# Altium PCB 从机.PcbDoc
Units mil, origin at the board's own origin, x right, y up, seen from the top; angles counter-clockwise.
Board outline 2125 x 1800 mil, 2 copper layers (Top Layer, Bottom Layer); 71 components, 88 nets, 415 pads, 143 vias.
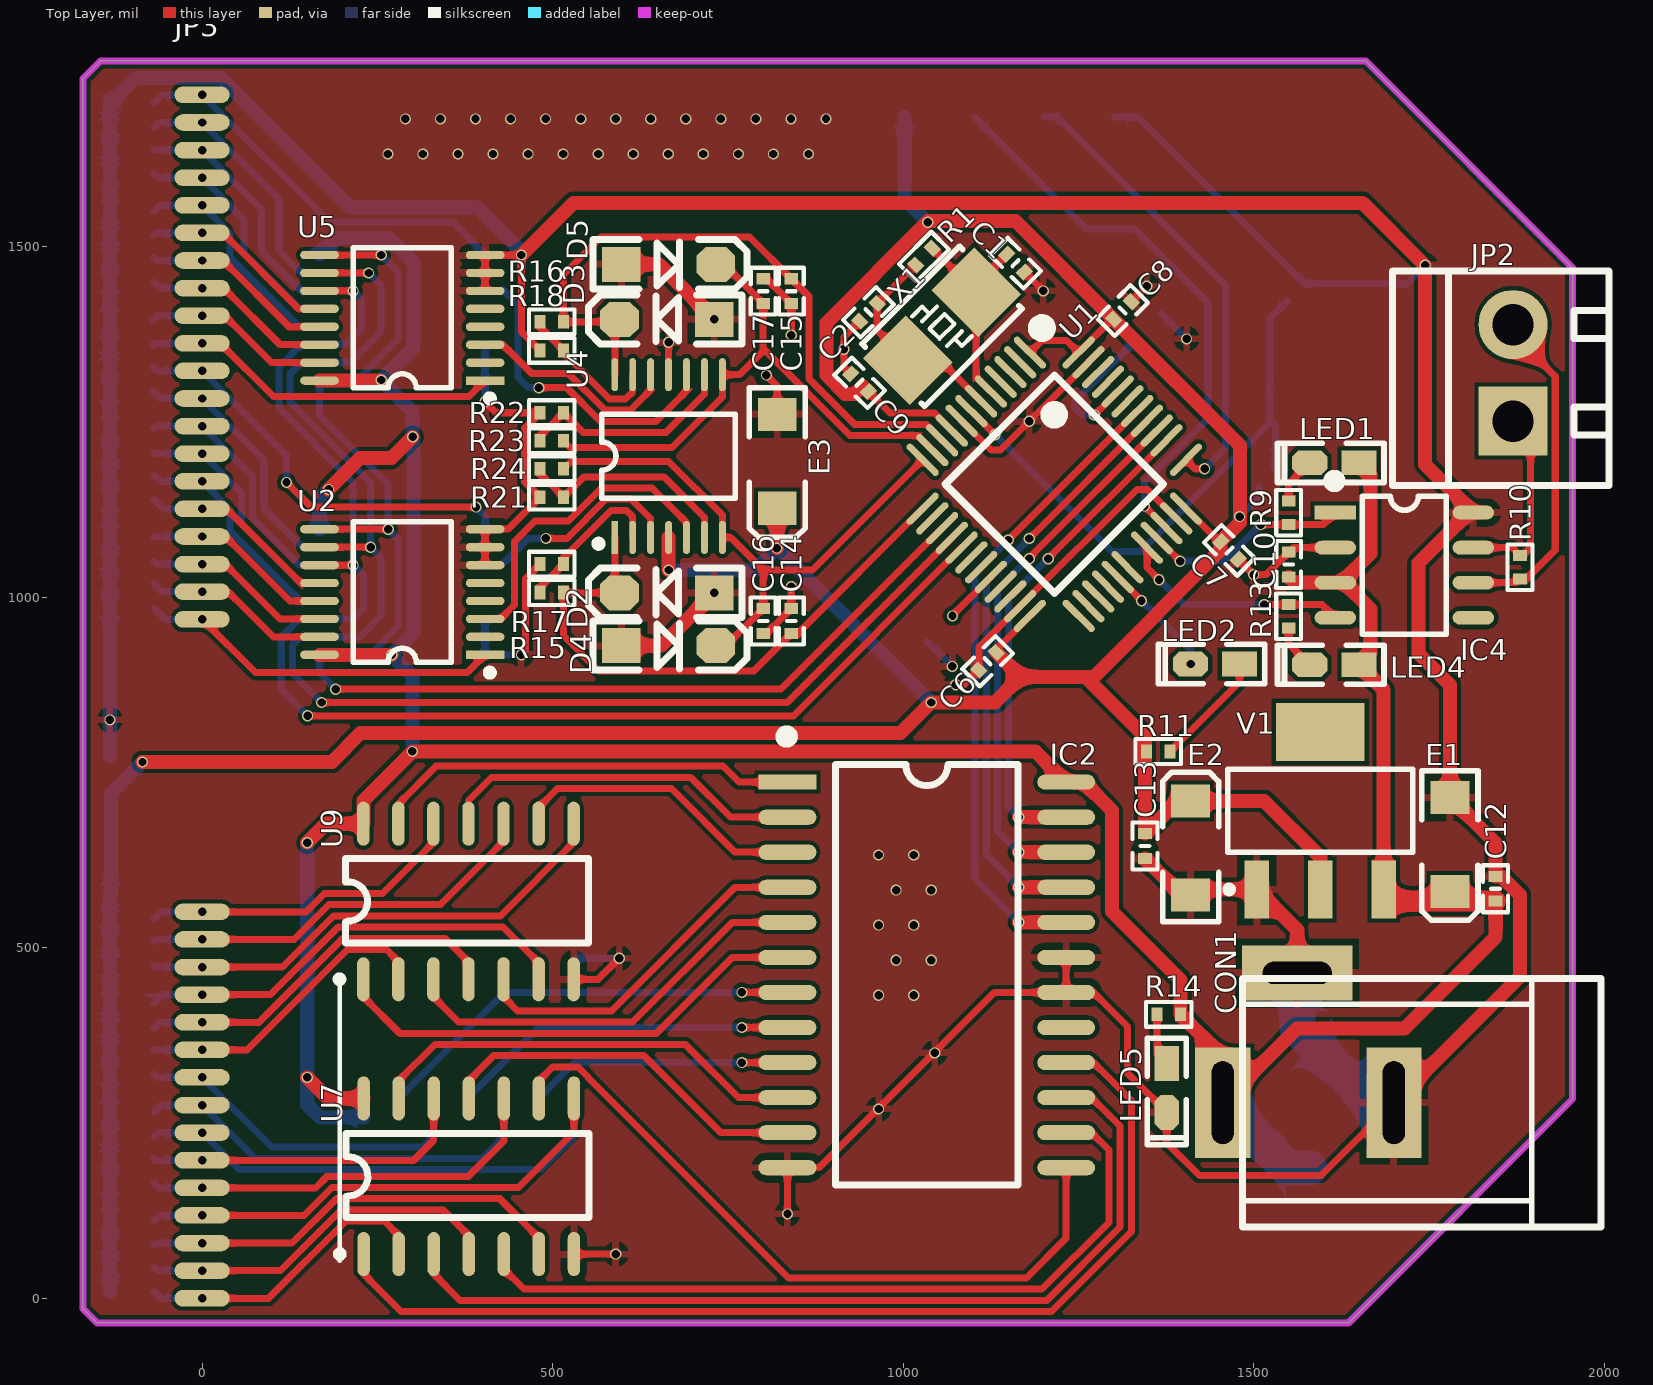
[diagram p0: Top Layer view]
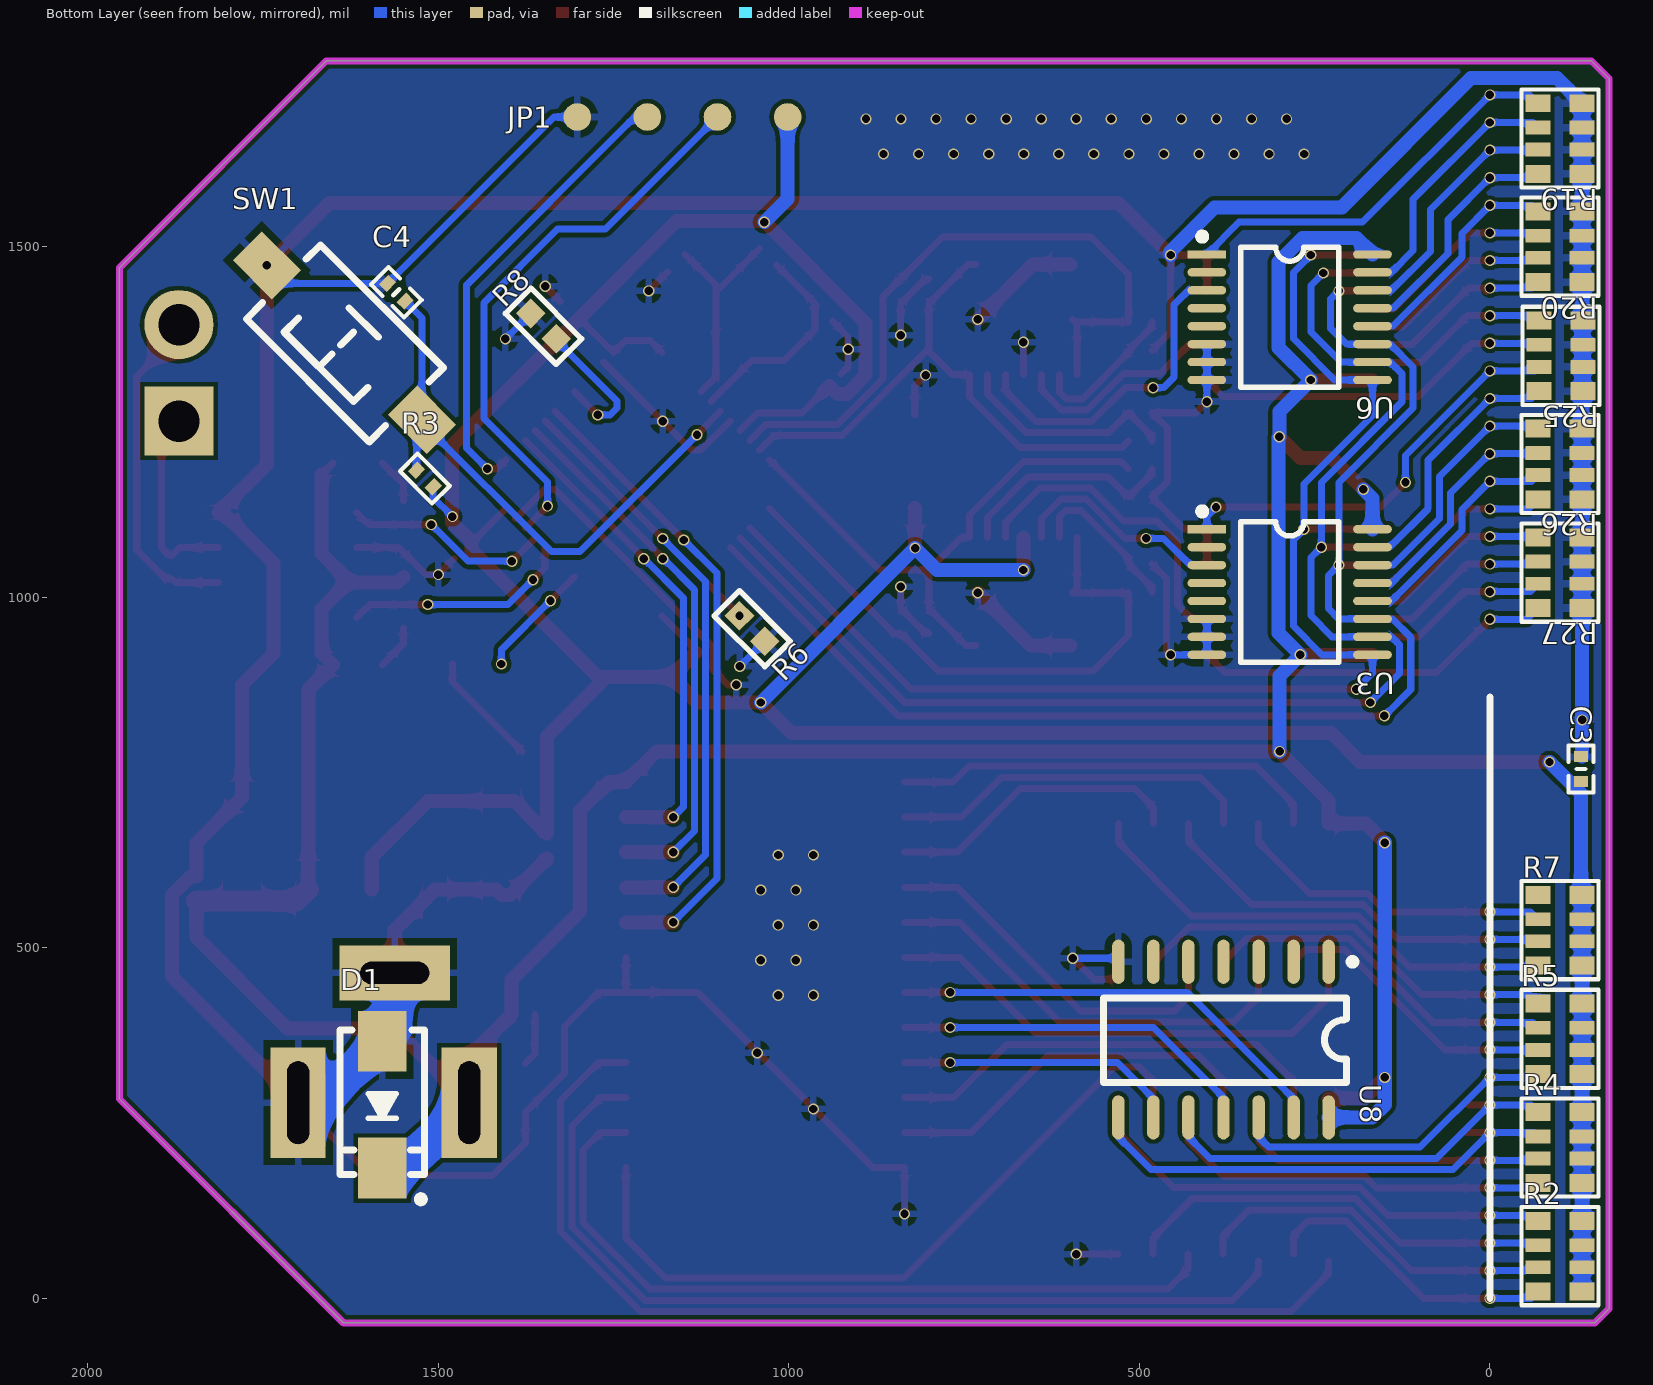
[diagram p1: Bottom Layer view, seen from below]

## Layer stack, top to bottom
Top Solder: solder mask 0.4, Solder Resist, Dk 3.5
Top Layer: signal copper 1.4
Dielectric 1: dielectric 12.6, FR-4, Dk 4.8
Bottom Layer: signal copper 1.4
Bottom Solder: solder mask 0.4, Solder Resist, Dk 3.5

## Board outline
-150,-35 -170,-15 -170,1740 -145,1765 1660,1765 1955,1470 1955,284.37 1635.63,-35

## Design rules (kind name [scope] priority, off if disabled: settings)
Clearance [All] p1: gap=6 ignorepadtopadclearanceinfootprint=FALSE
PolygonConnect [All] p1: connectstyle=Relief reliefconductorwidth=10 reliefentries=4 polygonreliefangle="90 Angle" airgapwidth=10
RoutingVias [All] p1: holewidth=28 width=50 viastyle="Through Hole" minholewidth=28 minwidth=50 maxholewidth=28 maxwidth=50
SolderMaskExpansion [All] p1: expansion=4
Width [All] p1: maxlimit=100 minlimit=10 preferedwidth=10
30 further rules are at their usual default settings.

## Components (designator, comment, footprint, x,y, rotation, side; value= is the part's Value field where it differs from the comment)
C1 "22pF" "C 0402_L" 1160.43,1476.45 r135 top
C2 "22pF" "C 0402_L" 950.43,1406.45 r45 top
C3 "104" "C 0402_L" -130,755 r90 bottom
C4 "104" "C 0402_L" 1560,1435 r225 bottom
C6 "104" "C 0402_L" 1120.43,908.69 r45 top
C7 "104" "C 0402_L" 1465.43,1066.8 r135 top
C8 "104" "C 0402_L" 1312.95,1408.97 r225 top
C9 "104" "C 0402_L" 937.9,1305.94 r315 top
C10 "22pF" "C 0402_L" 1550,1046.54 r270 top
C12 "104" "C 0402_L" 1845,584.13 r270 top
C13 "104" "C 0402_L" 1345,645 r90 top
C14 "104" "C 0402_L" 840.43,966.1 r270 top
C15 "104" "C 0402_L" 840.43,1436.53 r270 top
C16 "104" "C 0402_L" 800.43,966.1 r270 top
C17 "104" "C 0402_L" 800.43,1436.53 r90 top
CON1 "3.5*1.3" DC-005 1700,279.06 r0 top
D1 "SS34" SMA 1580,276.22 r270 bottom
D2 "1N5819" SOD-123 662.93,1006.33 r180 top
D3 "1N5819" SOD-123 662.93,1396.33 r180 top
D4 "1N5819" SOD-123 665.43,930.93 r0 top
D5 "1N5819" SOD-123 665.43,1474.91 r0 top
E1 "10uF/16V" "CD A(3216)" 1780,647.32 r90 top
E2 "10uF/16V" "CD A(3216)" 1410,642.32 r270 top
E3 "10uF/16V" "CD A(3216)" 820.43,1193.82 r90 top
IC2 "74HC154" SOP24_N 1033.82,461.22 r0 top
IC4 "TJA1050" SOP8_L 1715,1045.75 r0 top
JP1 "下载接口" 下载接口 1301.82,1685 r180 bottom
JP2 "HDR-1X2" KF350-2P 1870,1320 r90 top
JP3 "传感器" 柔性传感器 0,968.5 r90 top
LED1 "绿色" "LED 0603G" 1615,1191.81 r180 top
LED2 "蓝色" "LED 0603B" 1445,905 r180 top
LED4 "绿色" "LED 0603G" 1615,903.82 r180 top
LED5 "红色" "LED 0603R" 1375.7,300 r270 top
R1 "10M" "R 0402_L" 1030.43,1486.45 r225 top
R2 "30K" RCA-8P4R-0603 -100,60 r90 bottom
R3 "1K" "R 0402_L" 1520,1170 r225 bottom
R4 "30K" RCA-8P4R-0603 -100,215 r90 bottom
R5 "30K" RCA-8P4R-0603 -100,370 r90 bottom
R6 "10K" "R 0603_L" 1052.33,955.19 r225 bottom
R7 "30K" RCA-8P4R-0603 -100,525 r90 bottom
R8 "10K" "R 0603_L" 1350,1386.62 r45 bottom
R9 "1K" "R 0402_L" 1550,1119.39 r90 top
R10 "120R" "R 0402_L" 1880,1043.82 r270 top
R11 "1K" "R 0402_L" 1365,780 r180 top
R13 "1K" "R 0402_L" 1550,973.82 r270 top
R14 "10K" "R 0402_L" 1380,405 r180 top
R15 "10K" "R 0402_L" 497.71,1006.81 r0 top
R16 "10K" "R 0402_L" 499.67,1392.84 r180 top
R17 "10K" "R 0402_L" 499.67,1047.2 r180 top
R18 "10K" "R 0402_L" 497.71,1352.1 r0 top
R19 "30K" RCA-8P4R-0603 -100,1654.25 r90 bottom
R20 "30K" RCA-8P4R-0603 -100,1500 r90 bottom
R21 "10K" "R 0402_L" 497.71,1142.69 r0 top
R22 "10K" "R 0402_L" 499.67,1263.13 r180 top
R23 "10K" "R 0402_L" 499.67,1223.13 r180 top
R24 "10K" "R 0402_L" 497.71,1183.13 r0 top
R25 "30K" RCA-8P4R-0603 -101.5,1344.25 r90 bottom
R26 "30K" RCA-8P4R-0603 -100,1190 r90 bottom
R27 "30K" RCA-8P4R-0603 -100,1035 r90 bottom
SW1 "3x6x5" "TSW SMD-3*6*2.5" 1635,1363.82 r45 bottom
U1 "STM32F103C8" "LQFP48 7X7_L" 1215.64,1161.18 r225 top
U2 "74HC4051PW" TSSOP16_N 285.43,1007.39 r180 top
U3 "74HC4051PW" TSSOP16_N 285.43,1007.39 r180 bottom
U4 "OPA4377" TSSOP14_L 665.43,1201.33 r90 top
U5 "74HC4051PW" TSSOP16_N 285.43,1398.54 r180 top
U6 "74HC4051PW" TSSOP16_N 285.43,1399.41 r180 bottom
U7 "SN74HC05DR" SOP14 230.43,63 r90 top
U8 "SN74HC05DR" SOP14 230,480 r270 bottom
U9 "SN74HC05DR" SOP14 230,455 r90 top
V1 "AMS1117-3V3" SOT223_L 1595,695.39 r90 top
X1 "8MHz" "OSC 5032-2P" 1055.43,1386.45 r225 top

## Footprints (in the part's own frame and the unit in brackets; to place one, negate y for a bottom-side part, rotate by r counter-clockwise, add the part's x,y. Pads: shape width x height; smd on the part's side, far side on the other; paste and mask are expansions set on the pad)
"C 0402_L" [mm] "无极性贴片电容         淘宝ID:黄晶宝石"
  rect 0.4x0.5 smd: 1(-0.45,0) 2(0.45,0)
  silkscreen extent -0.85,-0.45 0.85,0.45, body extent -0.5,-0.26 0.5,0.26, height 0.53
"CD A(3216)" [mm] "长3.2mm，宽1.6mm，厚1.6mm      淘宝ID:黄晶宝石"
  rect 1.2x1.4 smd: 1(-1.7,0) 2(1.7,0)
  silkscreen extent -2.74,-1.02 2.67,1.02, body extent -1.6,-0.8 1.6,0.8, height 1.6
DC-005 [mm] "5.5*2.1mm，DC30V,2.5A      淘宝ID:黄晶宝石"
  rect 2x4 hole 0.8 slot 3 at 90 deg: 1(-6.2,0) 2(0,0)
  rect 4x2 hole 0.8 slot 2.5 at 0 deg: 3(-3.5,4.7)
  silkscreen extent -5.48,-4.5 7.5,4.5, body extent -6.55,-4.5 7.5,4.8, height 11.2
KF350-2P [mm] "可拼接端子/10A"
  rect 2.5x2.5 hole 1.5: 1(-1.75,0)
  round 2.5 hole 1.5: 2(1.75,0)
  silkscreen extent -4.09,-3.48 3.69,4.37, body extent -3.9,-3.3 3.5,4.2, height 10
"LED 0603B" [mil] "蓝色0603LED"
  rect 50x35 smd: 1(-35,0.26)
  oct 50x35 smd: 2(35,0.26)
  silkscreen extent -71,-28 81,28, body extent -31,-16 32,16, height 24
"LED 0603G" [mil] "绿色0603LED"
  rect 50x35 smd: 1(-35,0.26)
  oct 50x35 smd: 2(35,0.26)
  silkscreen extent -71,-28 81,28, body extent -31,-16 32,16, height 24
"LED 0603R" [mil] "红色0603LED"
  rect 50x35 smd: 1(-35,0.26)
  oct 50x35 smd: 2(35,0.26)
  silkscreen extent -71,-28 81,28, body extent -31,-16 32,16, height 24
"LQFP48 7X7_L" [mm] "48脚，体宽7x7mm，脚距0.5mm     淘宝ID:黄晶宝石"
  oval 0.25x1.55 smd: 1(-2.75,-4) 2(-2.25,-4) 3(-1.75,-4) 4(-1.25,-4) 5(-0.75,-4) 6(-0.25,-4) 7(0.25,-4) 8(0.75,-4) 9(1.25,-4) 10(1.75,-4) 11(2.25,-4) 12(2.75,-4) 25(2.75,4) 26(2.25,4) 27(1.75,4) 28(1.25,4) 29(0.75,4) 30(0.25,4) 32(-0.75,4) 33(-1.25,4) 34(-1.75,4) 35(-2.25,4) 36(-2.75,4)
  oval 1.55x0.25 smd: 13(4,-2.75) 14(4,-2.25) 15(4,-1.75) 16(4,-1.25) 17(4,-0.75) 18(4,-0.25) 19(4,0.25) 20(4,0.75) 21(4,1.25) 22(4,1.75) 23(4,2.25) 24(4,2.75) 37(-4,2.75) 39(-4,1.75) 40(-4,1.25) 41(-4,0.75) 42(-4,0.25) 43(-4,-0.25) 44(-4,-0.75) 45(-4,-1.25) 46(-4,-1.75) 47(-4,-2.25) 48(-4,-2.75)
  silkscreen extent -3.93,-4.57 2.79,2.79, body extent -4.5,-4.5 4.5,4.5, height 1.45
"OSC 5032-2P" [mm] "5mm*3.2mm*0.8mm(长*宽*高)                  淘宝ID:黄晶宝石"
  rect 2.2x2.4 smd: 1(-1.75,0) 2(1.75,0)
  silkscreen extent -2.5,-1.6 2.5,1.6, body extent -2.5,-1.6 2.5,1.6, height 0.86
"R 0402_L" [mm] "1/16W贴片电阻     淘宝ID:黄晶宝石"
  rect 0.4x0.5 smd: 1(-0.4,0) 2(0.45,0)
  silkscreen extent -0.8,-0.45 0.85,0.45, body extent -0.5,-0.25 0.5,0.25, height 0.3
"R 0603_L" [mil] "1/10W贴片电阻                 淘宝ID:黄晶宝石"
  rect 30x30 smd: 1(-25.59,0) 2(25.59,0)
  silkscreen extent -51,-26 51,26, body extent -31,-16 31,16, height 16
RCA-8P4R-0603 [mm] "3.2mm*1.6mm*0.6mm(长*宽*厚)"
  rect 0.65x0.9 smd: 1(-1.28,-0.8) 4(1.28,-0.8) 5(1.28,0.8) 8(-1.28,0.8)
  rect 0.5x0.9 smd: 2(-0.4,-0.8) 3(0.4,-0.8) 6(0.4,0.8) 7(-0.4,0.8)
  silkscreen extent -1.78,-1.4 1.78,1.4, body extent -1.6,-0.8 1.6,0.8, height 0.6
SMA [mm] "4.5x2.6*2.2mm（长宽高，不包括引脚）"
  rect 2.2x1.75 smd: 1(-2.3,0) 2(2.3,0)
  silkscreen extent -2.7,-1.52 3.56,1.52, body extent -2.52,-1.3 2.57,1.3, height 2.15
SOD-123 [mil] "2.7x1.6X1.1mm（长宽高，不包括引脚） 淘宝ID:黄晶宝石"
  rect 55x50 smd: 1(-67.5,0)
  oct 55x50 smd: 2(67.5,0)
  silkscreen extent -108,-35 112,35, body extent -73,-31 73,31, height 48
SOP8_L [mm] "5*6*1.8mm（长宽高）封装库来自淘宝卖家 ID：黄晶宝石"
  rect 1.5x0.5 smd: 1(-2.5,1.905)
  oval 1.5x0.5 smd: 2(-2.5,0.635) 3(-2.5,-0.635) 4(-2.5,-1.905) 5(2.5,-1.905) 6(2.5,-0.635) 7(2.5,0.635) 8(2.5,1.905)
  silkscreen extent -2.69,-2.5 1.52,3.2, body extent -3,-2.5 3,2.5, height 1.9
SOP14 [mm] "封装库来自淘宝卖家 ID：黄晶宝石"
  oval 1.6x0.45 smd mask+0.1: 1(0,0) 2(0,-1.27) 3(0,-2.54) 4(0,-3.81) 5(0,-5.08) 6(0,-6.35) 7(0,-7.62) 8(5.639,-7.62) 9(5.639,-6.35) 10(5.639,-5.08) 11(5.639,-3.81) 12(5.639,-2.54) 13(5.639,-1.27) 14(5.639,0)
  silkscreen extent -0.12,-8.16 4.37,0.99, body extent -0.31,-8.16 5.89,0.54, height 1.61
SOP24_N [mm] "15.4*10.6*2.6mm（长宽高）  淘宝ID:黄晶宝石"
  rect 2.1x0.55 smd: 1(-5.05,6.985)
  oval 2.1x0.55 smd: 2(-5.05,5.715) 3(-5.05,4.445) 4(-5.05,3.175) 5(-5.05,1.905) 6(-5.05,0.635) 7(-5.05,-0.635) 8(-5.05,-1.905) 9(-5.05,-3.175) 10(-5.05,-4.445) 11(-5.05,-5.715) 12(-5.05,-6.985) 13(5.05,-6.985) 14(5.05,-5.715) 15(5.05,-4.445) 16(5.05,-3.175) 17(5.05,-1.905) 18(5.05,-0.635) 19(5.05,0.635) 20(5.05,1.905) 21(5.05,3.175) 22(5.05,4.445) 23(5.05,5.715) 24(5.05,6.985)
  silkscreen extent -5.23,-7.62 3.3,8.79, body extent -5.15,-7.7 5.15,7.7, height 2.7
SOT223_L [mm] "SOT223, 4-Leads, Body 6.5x3.5mm, Pitch 2.3mm, Lead Span 7mm, IPC High Density"
  rect 2.1x0.9 smd: 1(-2.85,2.3) 2(-2.85,0) 3(-2.85,-2.3)
  rect 2.1x3.2 smd: 4(2.85,0)
  silkscreen extent -2.97,-3.35 1.5,3.42, body extent -1.85,-3.35 1.85,3.35, height 1.7
TSSOP14_L [mm] "5*6.4*1mm（长宽高）封装库来自淘宝卖家 ID：黄晶宝石"
  rect 1.2x0.25 smd: 1(-2.95,1.95)
  oval 1.2x0.25 smd: 2(-2.95,1.3) 3(-2.95,0.65) 4(-2.95,0) 5(-2.95,-0.65) 6(-2.95,-1.3) 7(-2.95,-1.95) 8(2.95,-1.95) 9(2.95,-1.3) 10(2.95,-0.65) 11(2.95,0) 12(2.95,0.65) 13(2.95,1.3) 14(2.95,1.95)
  silkscreen extent -3.3,-2.41 1.52,2.67, body extent -3.2,-2.5 3.2,2.5, height 1.03
TSSOP16_N [mm] "5*6.4*1mm（长宽高） 封装库来自淘宝卖家 ID：黄晶宝石"
  rect 1.4x0.3 smd: 1(-3.004,2.275)
  oval 1.4x0.3 smd: 2(-3.004,1.625) 3(-3.004,0.975) 4(-3.004,0.325) 5(-3.004,-0.325) 6(-3.004,-0.975) 7(-3.004,-1.625) 8(-3.004,-2.275) 9(2.996,-2.275) 10(2.996,-1.625) 11(2.996,-0.975) 12(2.996,-0.325) 13(2.996,0.325) 14(2.996,0.975) 15(2.996,1.625) 16(2.996,2.275)
  silkscreen extent -3.3,-2.54 1.78,3.05, body extent -3.2,-2.5 3.2,2.5, height 1.03
"TSW SMD-3*6*2.5" [mm] "3*6*2.5mm"
  rect 2x1.5 smd: 1(-3.996,-0.02) 2(3.937,0)
  silkscreen extent -3.21,-1.9 3.09,1.9, body extent -4,-1.88 4,1.62, height 2.59
下载接口 [mm] "Jlink下载接口"
  round 1 smd: 1(0,0) 1(0,0) 2(2.54,0) 3(5.08,0) 4(7.62,0)
柔性传感器 [mm] "浙清柔电传感器引脚"
  oval 0.6x2 smd: 1(-24.6,0) 1(-24.6,0) 2(-23.6,0) 3(-22.6,0) 4(-21.6,0) 5(-20.6,0) 6(-19.6,0) 7(-18.6,0) 8(-17.6,0) 9(-16.6,0) 10(-15.6,0) 11(-14.6,0) 12(-13.6,0) 13(-12.6,0) 14(-11.6,0) 15(-10.6,0) 15(-10.6,0) 15(-10.6,0) 16(0,0) 16(0,0) 17(1,0) 18(2,0) 19(3,0) 20(4,0) 21(5,0) 22(6,0) 23(7,0) 24(8,0) 25(9,0) 26(10,0) 27(11,0) 28(12,0) 29(13,0) 30(14,0) 31(15,0) 32(16,0) 33(17,0) 34(18,0) 35(19,0)

## Part data
C1 C2 C3 C4 C6 C7 C8 C9 C10 C12 C13 C14 C15 C16 C17: library part C, "贴片电容"
CON1: library part P-DC, "低压电源接口"
D1: library part SS54, "肖特基二极管"
D2 D3 D4 D5: "肖特基二极管"
E1 E2 E3: library part CT, "贴片钽电容"
IC2: "4线转16线译码器"
IC4: "CAN总线收发芯片"
JP1: "Jlink下载接口"
JP2: library part "Header 2", "2P接插件"
JP3: "浙清柔性阵列传感器"
LED1 LED2 LED4 LED5: library part LED-SMD, "贴片LED", BOM名称=贴片LED, 学习资源=https://shop463601444.taobao.com, 版权归属="封装库来自淘宝 ID：黄晶宝石"
R1 R3 R6 R8 R9 R10 R11 R13 R14 R15 R16 R17 R18 R21 R22 R23 R24: library part R, "贴片电阻"
R2 R4 R5 R7 R19 R20 R25 R26 R27: library part R-8P4R, "贴片排阻"
SW1: library part "TSW 3x6", "3x6轻触开关", BOM名称=3x6轻触开关, 学习资源=www.ooocke.com, 版权归属=源创客
U1: "Flaah:64/RAM:20/IO:36"
U4: "4路运放"
V1: library part AMS1117, "三端稳压芯片", BOM名称=稳压芯片, 欢迎光临淘宝店铺=https://shop463601444.taobao.com, 淘宝ID="封装库来自淘宝 ID：黄晶宝石"
X1: library part XTAL-2P, "2脚无源脚晶振"

## Via types
v1: diameter 16, hole 12, Top Layer to Bottom Layer, tented both sides, 143 vias

## Nets (pads, with @x,y where several pads share a name; then routed paths per layer and width w, separated by ;. In a path a pad name is that pad's centre, name@x,y a point inside that pad or via, vN(x,y) a via of type N, cw(c..) or ccw(c..) an arc to the next point about the centre after c; other vN are vias at no path point)
3.3V: C3.1 C6.2 C7.2 C8.2 C9.2 C13.2 E2.1 E3.1 JP1.4 R2.1 R2.2 R2.3 R2.4 R3.2 R4.1 R4.2 R4.3 R4.4 R5.1 R5.2 R5.3 R5.4 R7.1 R7.2 R7.3 R7.4 R11.2 U1.1 U1.9 U1.24 U1.36 U1.48 U4.4 V1.2 | length 5427.7
  Top Layer w10: C9.2 981.13,1262.7 1044.52,1262.7 U1.9 ; C6.2 1132.95,925.39 U1.24 ; U1.1 1198.21,1366.45 1233.06,1366.45 U1.48 1297.79,1396.45 C8.2 ; U1.36 1450.61,1079.33 C7.2
  Top Layer w20: v1(-85,765) 185,765 226,806 996.18,806 v1(1040,849.82) 1131.09,849.82 1167.72,886.45 ; v1(665.43,1038.82) U4.4 ; v1(820,1070) 820,1126.47 E3.1 ; C9.2 942.25,1301.58 930.61,1289.94 917.36,1289.94 890.43,1316.87 890.43,1391.45 1035.43,1536.45 1160.43,1536.45 C8.2 1480.43,1216.45 1480.43,1106.85 C7.2 1452.9,1067.15 1272.2,886.45 1260.02,886.45 ; C6.2 1167.72,886.45 ; V1.2 1595,629.25 1515,709.25 E2.1 1391.54,709.25 C13.2 1345,801.47 1260.02,886.45 ; 1167.72,886.45 1260.02,886.45
  Bottom Layer w10: v1(1480,1115) 1507.48,1142.48 R3.2
  Bottom Layer w20: R2.1 R2.2 R2.3 R2.4 R4.1 R4.2 R4.3 R4.4 R5.1 R5.2 R5.3 R5.4 R7.1 R7.2 R7.3 R7.4 -130,576.89 -130,720 v1(-85,765) ; v1(665.43,1038.82) 788.82,1038.82 v1(820,1070) v1@1040,850 ; JP1.4 1001.82,1568.18 v1(1035,1535)
5V: C10.2 C12.2 CON1.1 D1.2 E1.1 IC2.24 IC4.3 LED1.1 LED4.1 R14.1 U2.16 U3.16 U5.16 U6.16 U7.14 U8.14 U9.14 V1.3 | length 5235.3
  Top Layer w10: v1@254.55,1308.97 v1(255.43,1309.85) ; IC4.3 1624.98,1020.75 IC4.3@1629.25,1020.75 ; LED1.1 LED1.1@1666.57,1174.98
  Top Layer w20: v1(150,314.96) 179.96,285 U7.14 ; v1(150,649.89) 177.11,677 U9.14 230,710 v1(300,780) 1188.86,780 IC2.24 1257.04,736.22 1297.79,695.48 1297.79,551.83 1395.75,453.87 R14.1 1455.91,344.85 CON1.1 1561.85,385 1715,385 1845,515 C12.2 ; U2.16 v1(270.43,917.82) ; U5.16 v1@254.55,1308.97 ; v1(180.43,1153.82) 224.95,1198.35 269.95,1198.35 v1(300.43,1228.82) ; C10.2 1558.07,1020.75 IC4.3 ; IC4.3@1624.98,1020.75 1666.57,1062.35 LED1.1@1666.57,1174.98 ; IC4.3@1629.25,1020.75 1666.57,983.43 1666.57,920.15 LED4.1 1685.55,868.01 V1.3
  Top Layer w30: V1.3 1702.32,566.42 C12.2
  Bottom Layer w20: v1(150,649.89) v1(150,314.96) 150,276.02 168.02,258 U8.14 ; U3.16 167.47,1140.87 v1(180.43,1153.82) ; U6.16 190.6,1512.1 267.54,1512.1 301.43,1478.21 301.43,1355.85 v1(255.43,1309.85) 300.43,1264.85 v1(300.43,1228.82) 301.43,1227.82 301.43,948.82 v1(270.43,917.82) 300.43,887.82 v1@300.43,780
  Bottom Layer w50: CON1.1 1549.3,185.67 D1.2
BOOT0: R8.1 U1.44 | length 204.9
  Top Layer w10: v1(1272.69,1260) U1.44
  Bottom Layer w10: v1(1272.69,1260) 1255,1260 1245,1270 1245,1280 R8.1@1326.9,1361.9
BOOT1: R6.1 U1.20 | length 78.4
  Top Layer w10: v1(1070.43,973.28) 1070.43,974.21 U1.20
CV0: JP3.1 R2.8 U7.2 | length 433.5
  Top Layer w10: v1(0,0) 95,0 205,110 260,110 280.43,89.57 U7.2
  Bottom Layer w10: R2.8 -58.9,0 v1(0,0)
CV1: JP3.2 R2.7 U7.4 | length 528.5
  Top Layer w10: v1(0,39.37) 111.74,39.37 198.37,126 344,126 380.43,89.57 U7.4
  Bottom Layer w10: R2.7 -63.62,39.37 v1(0,39.37)
CV2: JP3.3 R2.6 U7.6 | length 622.7
  Top Layer w10: v1(0,78.74) 128.49,78.74 191.75,142 424.63,142 480.42,86.2 U7.6
  Bottom Layer w10: R2.6 -65.51,78.74 v1(0,78.74)
CV3: JP3.4 R2.5 U7.8 | length 699.2
  Top Layer w10: v1(0,118.11) 145.23,118.11 185.12,158 451.15,158 530.43,237.28 U7.8
  Bottom Layer w10: R2.5 -60.79,118.11 v1(0,118.11)
CV4: JP3.5 R4.8 U7.10 | length 590.2
  Top Layer w10: v1(0,157.48) 161.97,157.48 178.49,174 380,174 430.43,224.43 U7.10
  Bottom Layer w10: R4.8 -61.38,157.48 v1(0,157.48)
CV5: JP3.6 R4.7 U7.12 | length 471.3
  Top Layer w10: v1(0,196.85) 301.85,196.85 330.43,225.43 U7.12
  Bottom Layer w10: R4.7 -66.1,196.85 v1(0,196.85)
CV6: JP3.7 R4.6 U8.8 | length 703.9
  Top Layer w10: v1(0,236.22) JP3.7@33.99,236.22
  Bottom Layer w10: R4.6 -63.03,236.22 v1(0,236.22) 52.72,183.5 483.5,183.5 530,230 U8.8
CV7: JP3.8 R4.5 U8.10 | length 605.5
  Top Layer w10: v1(0,275.59) JP3.8@30.59,275.59
  Bottom Layer w10: R4.5 -58.31,275.59 v1(0,275.59) 76.09,199.5 399.5,199.5 430,230 U8.10
CV8: JP3.9 R5.8 U8.12 | length 475.6
  Bottom Layer w10: R5.8 -63.86,314.96 v1(0,314.96) 99.46,215.5 315.5,215.5 330,230 U8.12
CV9: JP3.10 R5.7 U9.2 | length 440.3
  Top Layer w10: v1(0,354.33) 64.33,354.33 207.5,497.5 262.93,497.5 280,480.42 U9.2
  Bottom Layer w10: R5.7 -68.43,354.33 v1(0,354.33)
CV10: JP3.11 R5.6 U9.4 | length 540.3
  Top Layer w10: v1(0,393.7) 81.07,393.7 200.87,513.5 346.5,513.5 380,480 U9.4
  Bottom Layer w10: R5.6 -60.55,393.7 v1(0,393.7)
CV11: JP3.12 R5.5 U9.6 | length 638.6
  Top Layer w10: v1(0,433.07) 97.82,433.07 194.24,529.5 429.5,529.5 480,479 U9.6
  Bottom Layer w10: R5.5 -55.83,433.07 v1(0,433.07)
CV12: JP3.13 R7.8 U9.8 | length 700
  Top Layer w10: v1(0,472.44) 114.56,472.44 187.61,545.5 425.61,545.5 530,649.89 U9.8
  Bottom Layer w10: R7.8 -66.34,472.44 v1(0,472.44)
CV13: JP3.14 R7.7 U9.10 | length 582.9
  Top Layer w10: v1(0,511.81) 131.3,511.81 180.99,561.5 339.99,561.5 430,651.5 U9.10
  Bottom Layer w10: R7.7 -65.95,511.81 v1(0,511.81)
CV14: JP3.15 R7.6 U9.12 | length 470.8
  Top Layer w10: v1(0,551.18) 148.04,551.18 174.36,577.5 257.5,577.5 330,650 U9.12
  Bottom Layer w10: R7.6 -58.07,551.18 v1(0,551.18)
GND: C1.1 C2.1 C3.2 C4.1 C6.1 C7.1 C8.1 C9.1 C10.1 C12.1 C13.1 C14.1 C15.2 C16.2 C17.2 CON1.2 CON1.3 D1.1 D2.1 D3.1 D4.1 D5.1 E1.2 E2.2 E3.2 IC2.12 IC2.18 IC2.19 IC4.2 IC4.8 JP1.1 LED5.2 R6.2 R8.2 R17.2 R18.1 R19.1 R19.2 R19.3 R19.4 R20.1 R20.2 R20.3 R20.4 R21.1 R22.2 R25.1 R25.2 R25.3 R25.4 R26.1 R26.2 R26.3 R26.4 R27.1 R27.2 R27.3 R27.4 SW1.2 U1.8 U1.23 U1.35 U1.47 U2.6 U2.7 U2.8 U3.6 U3.7 U3.8 U4.11 U5.6 U5.7 U5.8 U6.6 U6.7 U6.8 U7.7 U8.7 U9.7 V1.1 | length 9753
  Top Layer w10: U2.6 U2.7 U2.8 436.23,1096.96 R21.1 460,1164.65 460,1241.17 R22.2 419.38,1263.13 v1(403.69,1278.82) ; U5.6 U5.7 U5.8 v1(455.43,1488.1) 455.43,1378.63 R18.1 ; v1(455.43,917.82) 461.43,923.82 461.43,1026.67 R17.2 ; U9.7 565,455 v1(595,485) ; U7.7 v1(590,63) ; U4.11 v1(665.43,1363.82) ; C16.2 805,948.39 C14.1 v1(840.43,1015.04) ; C17.2 805,1454.25 C15.2 v1(840.43,1373.82) ; v1(805,1316.87) 820.43,1301.44 E3.2 ; v1(835,120.32) IC2.12 880,186.22 1130,436.22 IC2.18 ; C9.1 915.43,1328.41 v1(915.43,1353.82) 915.43,1371.45 C2.1 ; v1(1075,875) 1086.73,875 C6.1 1107.9,928.17 U1.23 1333.55,1153.82 1348.28,1153.82 U1.35 ; U1.8 1125.17,1209.89 1139.07,1209.89 U1.47 ; C1.1 v1(1199.95,1436.92) ; IC2.19 IC2.18 ; C8.1 v1(1347.49,1443.51) ; C7.1 v1(1499.96,1032.27) 1518.02,1032.27 C10.1 1556.5,1070.75 IC4.2 ; CON1.2 1595.94,175 1422.48,175 1375.96,221.52 LED5.2 1320.02,320.93 1320.02,387.77 1271.57,436.22 IC2.18
  Top Layer w20: v1(455.43,1488.1) 529.77,1562.45 1655.58,1562.45 v1(1744.6,1473.42) 1744.6,1189.58 IC4.8 1807.19,1120.75 1735,1048.56 1735,920 1780,875 E1.2 1845,649.25 C12.1 1853.41,601.85 1880,575.26 1880,459.06 CON1.2 ; D4.1 655.03,930.93 v1(730.43,1006.33) ; D5.1 651.84,1474.91 v1(730.43,1396.33) ; C13.1 1396.89,575.39 E2.2 1417.8,583.19 V1.1 1562.2,525.43 CON1.3
  Bottom Layer w10: U3.6 U3.7 U3.8 v1(455.43,917.82) ; v1(403.69,1278.82) U6.8 U6.7 U6.6 ; U8.7 535,485 v1(595,485) ; R6.2@1034.23,935.51 R6.2 v1(1070,901.33) ; JP1.1@1301.82,1685 1335.05,1685 C4.1 1718.71,1447.53 v1(1744.6,1473.42) ; R8.2 v1(1404.28,1368.52)
  Bottom Layer w20: C3.2@-131.5,772.71 v1(-131.5,825) R27.1 R27.2 R27.3 R27.4 R26.1 R26.2 R26.3 R26.4 R20.1 R20.2 R20.3 R20.4 R19.1 R19.2 R19.3 R19.4 -95.61,1740.53 26.82,1740.53 211.35,1556 392.77,1556 455.43,1493.34 v1(455.43,1488.1)
  Bottom Layer w50: CON1.3 1562.2,384.57 D1.1 1667.71,279.06 CON1.2
  other v1: 965,270 1045,350 965,432.24 1015,432.24 990,482.24 1040,482.24 965,532.24 1015,532.24 990,582.24 1040,582.24 965,632.24 1015,632.24 1180,1251.1 265,1632.24 315,1632.24 365,1632.24 415,1632.24 465,1632.24 515,1632.24 565,1632.24 615,1632.24 665,1632.24 715,1632.24 765,1632.24 815,1632.24 865,1632.24 290,1682.24 340,1682.24 390,1682.24 440,1682.24 490,1682.24 540,1682.24 590,1682.24 640,1682.24 690,1682.24 740,1682.24 790,1682.24 840,1682.24 890,1682.24
IN1: JP3.16 R27.8 U2.1 | length 521
  Top Layer w10: v1(0,968.5) 76.18,892.32 378.19,892.32 U2.1
  Bottom Layer w10: R27.8 -52.4,968.5 v1(0,968.5)
IN2: JP3.17 R27.7 U2.15 | length 267.4
  Top Layer w10: v1(0,1007.87) 37.13,1007.87 101.59,943.41 U2.15
  Bottom Layer w10: R27.7 -57.65,1008.4 -0.53,1008.4 v1(0,1007.87)
IN3: JP3.18 R27.6 U2.14 | length 272.7
  Top Layer w10: JP3.18@2.06,1045.18 v1(0,1047.24) 32.94,1047.24 111.18,969.01 U2.14
  Bottom Layer w10: R27.6 -65,1047.24 v1(0,1047.24)
IN4: JP3.19 R27.5 U2.13 | length 274.6
  Top Layer w10: v1(0,1086.61) 33.39,1086.61 125.4,994.6 U2.13
  Bottom Layer w10: R27.5 -67.28,1086.61 v1(0,1086.61)
IN5: JP3.20 R26.8 U2.12 | length 285.4
  Top Layer w10: v1(0,1125.98) 35.17,1125.98 140.97,1020.19 U2.12
  Bottom Layer w10: R26.8 -54.88,1125.98 v1(0,1125.98)
IN6: JP3.21 R26.7 U3.12 | length 328.2
  Bottom Layer w10: R26.7 -59.61,1165.35 v1(0,1165.35) 40,1125.35 40,1095 140.4,994.6 U3.12
IN7: JP3.22 R26.6 U3.13 | length 338.8
  Bottom Layer w10: R26.6 -67.48,1204.72 v1(0,1204.72) 56,1148.72 56,1104.43 140.24,1020.19 U3.13
IN8: JP3.23 R26.5 U3.14 | length 354.7
  Bottom Layer w10: R26.5 -64.8,1244.09 v1(0,1244.09) 72,1172.09 72,1112.25 138.47,1045.78 U3.14
IN9: JP3.24 R25.8 U3.15 | length 370.2
  Bottom Layer w10: R25.8 -59.61,1283.46 v1(0,1283.46) 88,1195.46 88,1126.25 142.88,1071.37 U3.15
IN10: JP3.25 R25.7 U3.1 | length 606.2
  Top Layer w10: v1(120.43,1163.82) 155.7,1128.54 v1(390.7,1128.54)
  Bottom Layer w10: R25.7 -64.33,1322.83 v1(0,1322.83) 120.43,1202.41 v1(120.43,1163.82) v1@117.35,1163.82 ; v1(390.7,1128.54) 403.69,1115.55 U3.1
IN11: JP3.26 R25.6 U5.1 | length 515.7
  Top Layer w10: v1(0,1362.2) 25.63,1362.2 101.81,1286.03 380.75,1286.03 U5.1
  Bottom Layer w10: R25.6 -67.8,1362.2 v1(0,1362.2)
IN12: JP3.27 R25.5 U5.15 | length 268.1
  Top Layer w10: v1(0,1401.57) 32.25,1401.57 99.26,1334.56 U5.15
  Bottom Layer w10: R25.5 -63.07,1401.57 v1(0,1401.57)
IN13: JP3.28 R20.8 U5.14 | length 279.6
  Top Layer w10: JP3.28@4.61,1436.33 v1(0,1440.94) 30.63,1440.94 111.42,1360.15 U5.14
  Bottom Layer w10: R20.8 -59.84,1440.94 v1(0,1440.94)
IN14: JP3.29 R20.7 U5.13 | length 276.8
  Top Layer w10: v1(0,1480.31) 29.69,1480.31 124.26,1385.74 U5.13
  Bottom Layer w10: R20.7 -64.57,1480.31 v1(0,1480.31)
IN15: JP3.30 R20.6 U5.12 | length 282.5
  Top Layer w10: v1(0,1519.68) 29.58,1519.68 137.93,1411.33 U5.12
  Bottom Layer w10: R20.6 -64.57,1519.68 v1(0,1519.68)
IN16: JP3.31 R20.5 U6.12 | length 330.9
  Bottom Layer w10: R20.5 -59.84,1559.05 v1(0,1559.05) 40,1519.05 40,1485 138.38,1386.62 U6.12
IN17: JP3.32 R19.8 U6.13 | length 343.5
  Bottom Layer w10: R19.8 -63.07,1598.42 v1(0,1598.42) 60,1538.42 60,1490.37 138.16,1412.21 U6.13
IN18: JP3.33 R19.7 U6.14 | length 353.9
  Bottom Layer w10: R19.7 -67.79,1637.79 v1(0,1637.79) 85,1552.79 85,1493.39 140.59,1437.8 U6.14
IN19: JP3.34 R19.6 U6.15 | length 370.4
  Bottom Layer w10: R19.6 -61.34,1677.16 v1(0,1677.16) 109.43,1567.74 109.43,1494.49 140.52,1463.39 U6.15
IN20: JP3.35 R19.5 U6.1 | length 571.4
  Bottom Layer w10: R19.5 -56.62,1716.53 v1(0,1716.53) 181.53,1535 357.67,1535 U6.1
NetIC4_6: IC4.6 JP2.2 R10.2 | length 504.1
  Top Layer w10: IC4.6 1874.64,1020.75 R10.2 1888.87,1026.11 1930.21,1067.46 1930.21,1314.79 1868.78,1376.22 JP2.2@1835,1376.22
NetIC4_7: IC4.7 JP2.1 R10.1 | length 311.3
  Top Layer w10: IC4.7 1868.82,1070.75 R10.1 1883.82,1059.58 1895,1070.75 1895,1226.1 1882.67,1238.43 JP2.1@1835,1238.43
NetLED1_2: LED1.2 R9.2 | length 66.9
  Top Layer w10: R9.2 1550.01,1161.57 LED1.2
NetLED2_1: LED2.1 R11.1 | length 165.8
  Top Layer w10: R11.1 1480,879.25 LED2.1
NetLED4_2: LED4.2 R13.2 | length 65
  Top Layer w10: R13.2 1550,933.57 LED4.2
NetLED5_1: LED5.1 R14.2 | length 75.7
  Top Layer w10: R14.2 1362.29,348.67 LED5.1
NetR15_1: R15.1 R17.1 U4.2 | length 223.5
  Top Layer w10: R15.1 481.96,1013.74 R17.1 515.43,1056.06 583.19,1123.82 605.43,1123.82 614.24,1115 U4.2
NetR16_2: R16.2 R18.2 U4.13 | length 212.8
  Top Layer w10: R16.2 481.96,1385.56 R18.2 515.43,1348.82 581.4,1282.85 604.25,1282.85 614.24,1292.84 U4.13
NetR21_2: R21.2 R24.1 U4.6 | length 320.2
  Top Layer w10: R24.1 481.96,1176.16 R21.2 544.56,1171.82 658.61,1171.82 716.61,1113.82 U4.6
NetR22_1: R22.1 R23.2 U4.9 | length 317.1
  Top Layer w10: R23.2 481.96,1229.67 R22.1 543.71,1234.85 661.45,1234.85 716.61,1290 U4.9
NRST: C4.2 R3.1 SW1.1 U1.7 | length 843.7
  Top Layer w10: U1.7 v1(1131.09,1231.81)
  Bottom Layer w10: v1(1131.09,1231.81) 1297.9,1065 1338.75,1065 1523.21,1249.46 SW1.1 ; R3.1 1531.14,1245.21 SW1.1 ; C4.2 1523.21,1398.2 SW1.1
OPA1: U2.3 U4.5 | length 459.4
  Top Layer w10: U2.3 425.61,969.01 445.43,988.82 445.43,1079.17 475.07,1108.82 522.8,1108.82 569.8,1155.82 641.77,1155.82 691.02,1106.58 U4.5
OPA2: U3.3 U4.3 | length 313.5
  Top Layer w10: v1(490.43,1083.82) 520.43,1083.82 576.43,1139.82 612.05,1139.82 639.83,1112.04 U4.3
  Bottom Layer w10: U3.3 427.38,1045.78 465.43,1083.82 v1(490.43,1083.82)
OPA3: U4.12 U5.3 | length 308.4
  Top Layer w10: U5.3 429.1,1360.15 470.43,1318.82 522.8,1318.82 574.77,1266.85 610.88,1266.85 639.83,1295.8 U4.12
OPA4: U4.10 U6.3 | length 466.4
  Top Layer w10: v1(480.43,1298.82) 520.17,1298.82 568.14,1250.85 647.45,1250.85 691.02,1294.41 U4.10
  Bottom Layer w10: U6.3 429.83,1437.8 450.43,1417.21 450.43,1313.82 465.43,1298.82 v1(480.43,1298.82)
PA0/ADC0: C15.1 D3.2 R16.1 U1.10 U4.14 | length 976.8
  Top Layer w10: U4.14 588.65,1389.56 D3.2@591.94,1392.85 ; D3.2 D3.2@591.94,1392.85 ; U1.10 1032.68,1246.7 930.89,1246.7 865.43,1312.17 865.43,1429.25 C15.1 780.86,1513.82 568.78,1513.82 515.43,1460.47 R16.1 D3.2@591.94,1392.85
PA1/ADC1: C17.1 D5.2 R23.1 U1.11 U4.8 | length 820.5
  Top Layer w10: R23.1 524.73,1213.82 670.43,1213.82 742.2,1285.59 U4.8 766.88,1317.47 800.43,1351.02 ; D5.2 744.34,1474.91 C17.1 800.43,1354.54 924.26,1230.7 1020.85,1230.7 U1.11
PA2/ADC2: C16.1 D4.2 R24.2 U1.12 U4.7 | length 809.1
  Top Layer w10: R24.2 526.12,1193.82 665.43,1193.82 742.2,1117.05 U4.7 754.06,1085.19 800.43,1038.82 ; D4.2 747.54,930.93 C16.1 800.43,1038.82 ; U1.12 870.59,1038.82 800.43,1038.82
PA3/ADC3: C14.2 D2.2 R15.2 U1.13 U4.1 | length 852.4
  Top Layer w10: U4.1 588.65,1013.1 D2.2 515.91,1006.33 R15.2 515.43,945.38 565.87,894.93 786.96,894.93 C14.2 849.73,948.39 U1.13
PA5/S3: U1.15 U2.9 U3.9 U5.9 U6.9 | length 1999.5
  Top Layer w10: U2.9 v1(265.43,1096.96) ; U5.9 v1(255.43,1488.1) ; v1(190.43,868.82) 825.84,868.82 U1.15
  Bottom Layer w10: v1(190.43,868.82) 167.47,891.77 U3.9 239.43,917.82 280.43,958.82 280.43,1081.96 v1(265.43,1096.96) 265.43,1161.45 167.47,1259.4 U6.9 221.45,1309.85 280.43,1368.82 280.43,1463.1 v1(255.43,1488.1)
PA6/S2: U1.16 U2.10 U3.10 U5.10 U6.10 | length 2030.6
  Top Layer w10: U5.10@164.52,1462.51 U5.10 v1(237.47,1462.51) ; U2.10 v1(240.43,1071.37) ; v1(170.43,849.82) 834.68,849.82 U1.16
  Bottom Layer w10: v1(170.43,849.82) 128.91,891.33 128.91,932.22 140.11,943.41 U3.10 225.02,943.41 255.43,973.82 255.43,1056.37 v1(240.43,1071.37) 240.43,1163.82 125.43,1278.82 125.43,1318.82 142.04,1335.44 U6.10 212.33,1335.44 255.43,1378.54 255.43,1444.56 v1(237.47,1462.51)
PA7/S1: U1.17 U2.11 U3.11 U5.11 U6.11 | length 1983.6
  Top Layer w10: v1(150.43,830.82) 843.52,830.82 U1.17 ; U2.11 v1(215.43,1045.78) ; U5.11 v1(215.43,1436.92)
  Bottom Layer w10: v1(150.43,830.82) 112.91,868.33 112.91,942.82 139.1,969.01 U3.11 215.61,969.01 230.43,983.82 230.43,1030.78 v1(215.43,1045.78) 215.43,1163.82 109.43,1269.82 109.43,1328.24 142.21,1361.03 U6.11 204.64,1361.03 227.05,1383.44 227.05,1425.3 v1(215.43,1436.92)
PA8/Run: LED2.2 U1.29 | length 167.3
  Top Layer w10: U1.29 v1(1340,995.06)
  Bottom Layer w10: v1(1340,995.06) 1410,925.07 v1(1410,904.74)
PA11/CAN_RX: IC4.4 R13.1 U1.32 | length 326.9
  Top Layer w10: U1.32 1347.86,1042.14 v1(1365,1025) ; v1(1515,989.58) R13.1 1597.75,989.58 IC4.4
  Bottom Layer w10: v1(1365,1025) 1400.42,989.58 v1(1515,989.58)
PA12/CAN_TX: IC4.1 R9.1 U1.33 | length 297.3
  Top Layer w10: U1.33 v1(1395,1051.42) ; v1(1510,1103.64) R9.1 1599.46,1103.64 IC4.1
  Bottom Layer w10: v1(1395,1051.42) 1457.78,1051.42 v1(1510,1103.64)
PB3/A: IC2.23 U1.39 | length 704.4
  Top Layer w10: v1(1206.89,1055) U1.39
  Top Layer w20: v1(1165,686.22) IC2.23
  Bottom Layer w10: v1(1165,686.22) 1150.64,700.58 1150.64,998.75 v1(1206.89,1055)
PB4/B: IC2.22 U1.40 | length 776.4
  Top Layer w10: v1(1180,1055) 1180,1055.95 1189.05,1065 U1.40
  Top Layer w20: v1(1165,636.22) IC2.22
  Bottom Layer w10: v1(1165,636.22) 1134.64,666.58 1134.64,1010.59 1179.05,1055 v1(1180,1055)
PB5/C: IC2.21 U1.41 | length 847.2
  Top Layer w10: v1(1180,1083.79) U1.41
  Top Layer w20: v1(1165,586.22) IC2.21
  Bottom Layer w10: v1(1165,586.22) 1118.64,632.58 1118.64,1022.43 v1(1180,1083.79)
PB6/D: IC2.20 U1.42 | length 918.6
  Top Layer w10: v1(1150,1081.63) U1.42
  Top Layer w20: v1(1165,536.22) IC2.20
  Bottom Layer w10: v1(1150,1081.63) 1102.64,1034.27 1102.64,598.58 v1(1165,536.22)
SWCLK: JP1.2 U1.37 | length 663.7
  Top Layer w10: U1.37 1416.39,1183.12 v1(1430,1183.12)
  Bottom Layer w10: JP1.2 1220,1685 1460,1445 1460,1213.12 v1(1430,1183.12)
SWDIO: JP1.3 U1.34 | length 815
  Top Layer w10: v1(1344.26,1130) U1.34
  Bottom Layer w10: JP1.3 1261.82,1525 1330,1525 1435,1420 1435,1255 1344.26,1164.26 v1(1344.26,1130)
VC0: IC2.16 U7.1 | length 1485.4
  Top Layer w10: U7.1@230.43,53 230.43,34.57 284,-19 1211.48,-19 1325.48,95 1325.48,282.31 1271.57,336.22 IC2.16
VC1: IC2.15 U7.3 | length 1294
  Top Layer w10: U7.3@330.43,53 330.43,34.57 368,-3 1204.85,-3 1309.48,101.63 1309.48,245.52 1268.78,286.22 IC2.15
VC2: IC2.14 U7.5 | length 1110.1
  Top Layer w10: U7.5 430.43,41.57 459,13 1198.23,13 1293.48,108.25 1293.48,211.52 1268.78,236.22 IC2.14
VC3: IC2.13 U7.9 | length 1034.8
  Top Layer w10: U7.9 480.43,310.43 500,330 536.15,330 550.28,315.86 550.28,315.14 836.43,29 1175.89,29 1232.64,85.75 IC2.13
VC4: IC2.11 U7.11 | length 540.2
  Top Layer w10: U7.11 380.43,310.43 416,346 630.04,346 739.82,236.22 IC2.11
VC5: IC2.10 U7.13 | length 632.8
  Top Layer w10: U7.13 280.43,310.43 332,362 689.22,362 765,286.22 IC2.10
VC6: IC2.9 U8.9 | length 403.2
  Top Layer w10: v1(770,336.22) IC2.9
  Bottom Layer w10: U8.9 480,285 531.22,336.22 v1(770,336.22)
VC7: IC2.8 U8.11 | length 524.8
  Top Layer w10: v1(770,386.22) IC2.8
  Bottom Layer w10: U8.11 380,286.5 479.72,386.22 v1(770,386.22)
VC8: IC2.7 U8.13 | length 644.6
  Top Layer w10: v1(770,436.22) IC2.7
  Bottom Layer w10: U8.13 280,285 431.22,436.22 v1(770,436.22)
VC9: IC2.6 U9.1 | length 696.4
  Top Layer w10: U9.1 230,430 282,378 648,378 756.22,486.22 IC2.6
VC10: IC2.5 U9.3 | length 603.8
  Top Layer w10: U9.3 330,430 366,394 614,394 756.22,536.22 IC2.5
VC11: IC2.4 U9.5 | length 511.3
  Top Layer w10: U9.5 430,430 450,410 583.78,410 760,586.22 IC2.4
VC12: IC2.3 U9.9 | length 426.8
  Top Layer w10: U9.9 480,700 507,727 669.61,727 760.39,636.22 IC2.3
VC13: IC2.2 U9.11 | length 525.2
  Top Layer w10: U9.11 380,710 413,743 697,743 753.78,686.22 IC2.2
VC14: IC2.1 U9.13 | length 614.8
  Top Layer w10: U9.13 280,705 334,759 742.88,759 765.66,736.22 IC2.1
XTALA: C1.2 R1.1 U1.5 X1.1 | length 310.8
  Top Layer w10: R1.1 1041.72,1497.59 X1.1 ; U1.5 1104.14,1314.44 X1.1 ; C1.2 1104.14,1445.22 X1.1
XTALB: C2.2 R1.2 U1.6 X1.2 | length 305.7
  Top Layer w10: R1.2 C2.2 962.95,1381.49 X1.2 1053.01,1337.73 U1.6
pads on no net: IC2.17 IC4.5 R7.5 U1.2 U1.3 U1.4 U1.14 U1.18 U1.19 U1.21 U1.22 U1.25 U1.26 U1.27 U1.28 U1.30 U1.43 U1.45 U1.46 U2.2 U2.4 U2.5 U3.2 U3.4 U3.5 U5.2 U5.4 U5.5 U6.2 U6.4 U6.5 U8.1 U8.2 U8.3 U8.4 U8.5 U8.6 V1.4

## Polygon pours and split planes (outlines as drawn)
GND on Bottom Layer (solid, remove dead copper, pour order 6): -275,1875 2045,1875 2125,1795 2125,-195 -335,-195 -350,-180
GND on Top Layer (solid, remove dead copper, pour order 8): -260,1900 -240,1880 2210,1880 2210,-75 2055,-230 2040,-215 -365,-215

## Keep-outs
Keep-Out Layer:
  lines w10: -170,-15 -170,1740 -145,1765 35,1765 1660,1765 1955,1470 1955,284.37 1635.63,-35 50,-35 -150,-35 -170,-15

## Silkscreen, mask and mechanical layers (free items; w line width, h text height)
Top Overlay:
  lines w6: 196.42,53.08 196.42,444.65
Bottom Overlay:
  lines w10: 0,0 0,857.5